# Altium PCB LimeSDR_Mini_1v2_Rounded.PcbDoc (part 2 of 5)
Units mm, origin at the board's own origin, x right, y up, seen from the top; angles counter-clockwise.
Board outline 69 x 31.37 mm, 8 copper layers (Top, L2, L3, L4, L5, L6, L7, Bottom), stack 1.555 mm thick; 411 components, 285 nets, 1759 pads, 802 vias.
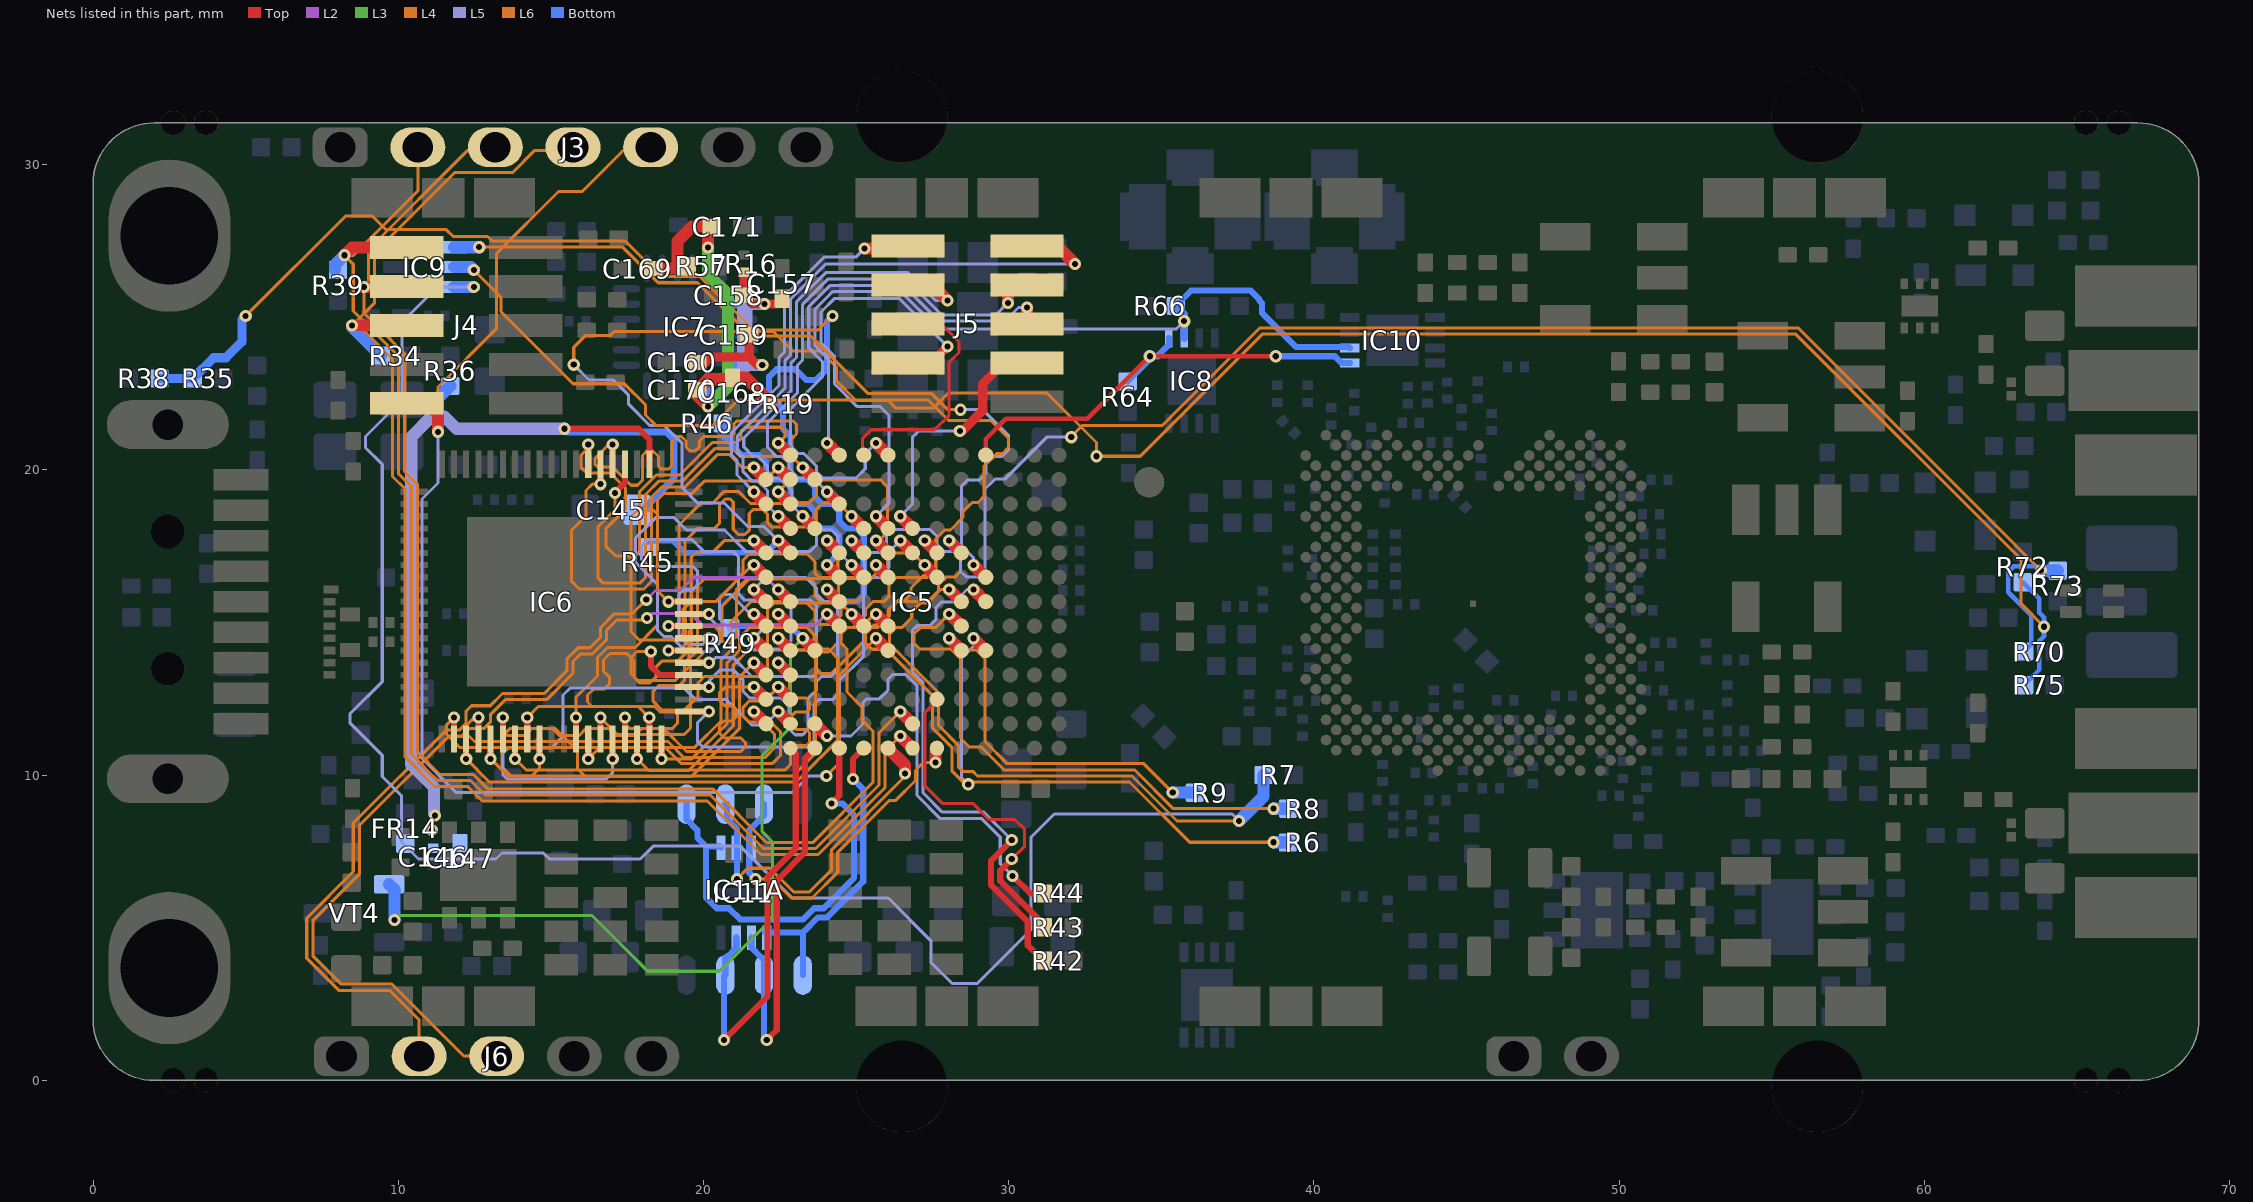
[diagram p8: the nets of this part, all layers, seen from the top]

## Footprints (in the part's own frame and the unit in brackets; to place one, negate y for a bottom-side part, rotate by r counter-clockwise, add the part's x,y. Pads: shape width x height; smd on the part's side, far side on the other; paste and mask are expansions set on the pad) (continued)
LMS7002M_v5 [mm] "LMS7002 without AM2 pad (internally unconnected)"
  round 0.35 smd mask+0: A5(-3.998,5.49) A7(-3.332,5.49) A9(-2.666,5.49) A13(-1.334,5.49) A17(-0.002,5.49) A21(1.33,5.49) AA1(-5.33,-1.17) AA3(-4.664,-1.17) AA5(-3.998,-1.17) AA29(3.994,-1.17) AA31(4.66,-1.17) AA33(5.326,-1.17) AB2(-4.997,-1.503) AB4(-4.331,-1.503) AB6(-3.665,-1.503) AB30(4.327,-1.503) AB32(4.993,-1.503) AB34(5.659,-1.503) AC3(-4.664,-1.836) AC5(-3.998,-1.836) AC29(3.994,-1.836) AC31(4.66,-1.836) AC33(5.326,-1.836) AD2(-4.997,-2.169) AD4(-4.331,-2.169) AD6(-3.665,-2.169) AD30(4.327,-2.169) AD32(4.993,-2.169) AE1(-5.33,-2.502) AE3(-4.664,-2.502) AE5(-3.998,-2.502) AE29(3.994,-2.502) AE31(4.66,-2.502) AE33(5.326,-2.502) AF2(-4.997,-2.835) AF4(-4.331,-2.835) AF6(-3.665,-2.835) AF30(4.327,-2.835) AF32(4.993,-2.835) AF34(5.659,-2.835) AG3(-4.664,-3.168) AG5(-3.998,-3.168) AG29(3.994,-3.168) AG31(4.66,-3.168) AG33(5.326,-3.168) AH2(-4.997,-3.501) AH4(-4.331,-3.501) AH30(4.327,-3.501) AH32(4.993,-3.501) AJ1(-5.33,-3.834) AJ3(-4.664,-3.834) AJ5(-3.998,-3.834) AJ7(-3.332,-3.834) AJ9(-2.666,-3.834) AJ11(-2,-3.834) AJ13(-1.334,-3.834) AJ15(-0.668,-3.834) AJ19(0.664,-3.834) AJ21(1.33,-3.834) AJ25(2.662,-3.834) AJ27(3.328,-3.834) AJ29(3.994,-3.834) AJ31(4.66,-3.834) AJ33(5.326,-3.834) AK2(-4.997,-4.167) AK4(-4.331,-4.167) AK6(-3.665,-4.167) AK8(-2.999,-4.167) AK10(-2.333,-4.167) AK12(-1.667,-4.167) AK14(-1.001,-4.167) AK20(0.997,-4.167) AK22(1.663,-4.167) AK26(2.995,-4.167) AK28(3.661,-4.167) AK30(4.327,-4.167) AK32(4.993,-4.167) AK34(5.659,-4.167) AL3(-4.664,-4.5) AL5(-3.998,-4.5) AL7(-3.332,-4.5) AL9(-2.666,-4.5) AL11(-2,-4.5) AL13(-1.334,-4.5) AL19(0.664,-4.5) AL21(1.33,-4.5) AL23(1.996,-4.5) AL27(3.328,-4.5) AL29(3.994,-4.5) AL31(4.66,-4.5) AL33(5.326,-4.5) AM4(-4.331,-4.833) AM6(-3.665,-4.833) AM8(-2.999,-4.833) AM10(-2.333,-4.833) AM12(-1.667,-4.833) AM18(0.331,-4.833) AM20(0.997,-4.833) AM22(1.663,-4.833) AM24(2.329,-4.833) AM26(2.995,-4.833) AM28(3.661,-4.833) AM30(4.327,-4.833) AM34(5.659,-4.833) AN3(-4.664,-5.166) AN5(-3.998,-5.166) AN7(-3.332,-5.166) AN9(-2.666,-5.166) AN11(-2,-5.166) AN17(-0.002,-5.166) AN23(1.996,-5.166) AN25(2.662,-5.166) AN27(3.328,-5.166) AN29(3.994,-5.166) AN31(4.66,-5.166) AP6(-3.665,-5.499) AP10(-2.333,-5.499) AP26(2.995,-5.499) AP30(4.327,-5.499) AP32(4.993,-5.499) B2(-4.997,5.157) B4(-4.331,5.157) B8(-2.999,5.157) B10(-2.333,5.157) B12(-1.667,5.157) B14(-1.001,5.157) B16(-0.335,5.157) B18(0.331,5.157) B20(0.997,5.157) B22(1.663,5.157) C1(-5.33,4.824) C3(-4.664,4.824) C5(-3.998,4.824) C7(-3.332,4.824) C9(-2.666,4.824) C11(-2,4.824) C13(-1.334,4.824) C15(-0.668,4.824) C17(-0.002,4.824) C19(0.664,4.824) C21(1.33,4.824) C23(1.996,4.824) C25(2.662,4.824) C27(3.328,4.824) C29(3.994,4.824) C31(4.66,4.824) D2(-4.997,4.491) D4(-4.331,4.491) D6(-3.665,4.491) D8(-2.999,4.491) D10(-2.333,4.491) D12(-1.667,4.491) D14(-1.001,4.491) D16(-0.335,4.491) D18(0.331,4.491) D20(0.997,4.491) D22(1.663,4.491) D24(2.329,4.491) D26(2.995,4.491) D28(3.661,4.491) D30(4.327,4.491) D32(4.993,4.491) E3(-4.664,4.158) E5(-3.998,4.158) E9(-2.666,4.158) E11(-2,4.158) E13(-1.334,4.158) E15(-0.668,4.158) E17(-0.002,4.158) E19(0.664,4.158) E21(1.33,4.158) E23(1.996,4.158) E25(2.662,4.158) E27(3.328,4.158) E29(3.994,4.158) E31(4.66,4.158) F2(-4.997,3.825) F4(-4.331,3.825) F6(-3.665,3.825) F8(-2.999,3.825) F10(-2.333,3.825) F12(-1.667,3.825) F14(-1.001,3.825) F16(-0.335,3.825) F18(0.331,3.825) F20(0.997,3.825) F22(1.663,3.825) F24(2.329,3.825) F26(2.995,3.825) F28(3.661,3.825) F30(4.327,3.825) F32(4.993,3.825) G1(-5.33,3.492) G3(-4.664,3.492) G5(-3.998,3.492) G29(3.994,3.492) G31(4.66,3.492) H2(-4.997,3.159) H6(-3.665,3.159) H30(4.327,3.159) H32(4.993,3.159) J1(-5.33,2.826) J3(-4.664,2.826) J5(-3.998,2.826) J31(4.66,2.826) J33(5.326,2.826) K2(-4.997,2.493) K4(-4.331,2.493) K6(-3.665,2.493) K30(4.327,2.493) K32(4.993,2.493) K34(5.659,2.493) L3(-4.664,2.16) L5(-3.998,2.16) L31(4.66,2.16) L33(5.326,2.16) M2(-4.997,1.827) M4(-4.331,1.827) M6(-3.665,1.827) M30(4.327,1.827) M32(4.993,1.827) N1(-5.33,1.494) N3(-4.664,1.494) N31(4.66,1.494) N33(5.326,1.494) P2(-4.997,1.161) P4(-4.331,1.161) P30(4.327,1.161) P32(4.993,1.161) P34(5.659,1.161) R3(-4.664,0.828) R5(-3.998,0.828) R29(3.994,0.828) R31(4.66,0.828) R33(5.326,0.828) T4(-4.331,0.495) T6(-3.665,0.495) T30(4.327,0.495) T32(4.993,0.495) U1(-5.33,0.162) U3(-4.664,0.162) U5(-3.998,0.162) U29(3.994,0.162) U31(4.66,0.162) U33(5.326,0.162) V2(-4.997,-0.171) V4(-4.331,-0.171) V6(-3.665,-0.171) V30(4.327,-0.171) V32(4.993,-0.171) V34(5.659,-0.171) W3(-4.664,-0.504) W29(3.994,-0.504) W31(4.66,-0.504) W33(5.326,-0.504) Y2(-4.997,-0.837) Y4(-4.331,-0.837) Y6(-3.665,-0.837) Y30(4.327,-0.837) Y32(4.993,-0.837)
  rect 0.2x0.2 smd: GND(0.175,0.025)
  Top region: -3.325,-3.5 3.675,-3.5 3.675,3.5 -3.325,3.5
  silkscreen extent -6.1,-6.3 6.4,6.2, body extent -5.6,-5.75 5.9,5.75, height 0.97
LXDC55K [mm] "LXDC55K"
  rect 0.7x1.1 smd mask+0.05: 1(2.2,1.6) 2(1.1,1.6) 3(0,1.6) 4(-1.1,1.6) 5(-2.2,1.6) 6(-2.2,0) 7(-2.2,-1.7) 8(-1.1,-1.7) 9(0,-1.7) 10(1.1,-1.7) 11(2.2,-1.7) 12(2.2,0) 13(0,0) 14(-1.1,0)
  silkscreen extent -2.65,-2.2 3.03,2.1, body extent -2.85,-2.5 2.85,2.5, height 2.1
M24128-DFMC6TG [mm] "8-UFDFPN (2x3)"
  rect 0.65x0.3 smd mask+0.05: 1(-1.4,0.75) 2(-1.4,0.25) 3(-1.4,-0.25) 4(-1.4,-0.75) 5(1.4,-0.75) 6(1.4,-0.25) 7(1.4,0.25) 8(1.4,0.75)
  rect 1.7x1.7 smd mask+0.05: PAD(0,0)
  silkscreen extent -2.06,-1.1 0.9,1.1, body extent -1.52,-1.01 1.52,0.99, height 0.9
MMCX_UFL_conn_u [mm]
  rect 1.2x1.2 smd mask+0.05: 1(0,1.6) 2(0,-1.6)
  rect 1.55x1 smd mask+0.05: 1(0,1.7) 2(0,-1.7)
  rect 1.2x1.6 smd mask+0.05: 2(-1.7,0) 2(1.7,0)
  rect 1.2x2.15 smd mask+0.05: 2(-1.4,0) 2(1.4,0)
  silkscreen extent -2.3,-2.2 2.3,2.2, body extent -1.5,-1.55 1.5,1.55, height 1.25
MX25U1635EM1I-10G_SOP8_150mil [mm] "8-Pin Small Outline Integrated Circuit 1.27 mm Pitch"
  oval 1.3x0.6 smd paste-2: 1(-2.85,1.905) 2(-2.85,0.635) 3(-2.85,-0.635) 4(-2.85,-1.905) 5(2.75,-1.905) 6(2.75,-0.635) 7(2.75,0.635) 8(2.75,1.905)
  silkscreen extent -2.57,-2.5 1.2,2.88, body extent -3,-2.45 3,2.45, height 1.75
NetTie_Wide2 [mm]
  rect 0.4x4 on Mid1: 1(-0.575,0) 2(0.575,0)
  L2 region: -0.775,2 -0.775,-2 0.775,-2 0.775,2
RAKON_RTX5032A [mm] "RAKON RTX5032A 40MHz Filter enabled, with VC, 10pin 5mm x 3.2mm"
  rect 1.35x1 smd mask+0.05: 1(-1.925,-1.15) 4(1.925,-1.15) 6(1.925,1.15) 9(-1.925,1.15)
  rect 0.7x1.35 smd mask+0.05: 2(-0.6,-0.975) 3(0.6,-0.975) 7(0.6,0.975) 8(-0.6,0.975)
  rect 1.35x0.7 smd mask+0.05: 5(1.925,0) 10(-1.925,0)
  silkscreen extent -3.2,-2.25 2.8,1.85, body extent -2.5,-1.6 2.5,1.6, height 0.9
RES0201 [mm]
  rect 0.3x0.35 smd: 1(-0.28,0) 2(0.28,0)
  silkscreen extent -0.2,-0.33 0.2,0.33, body extent -0.3,-0.15 0.3,0.15, height 0.25
RES0402#1 [mm] "Chip Resistor, Body 1.0x0.5mm, EIA 0402, IPC Medium Density"
  round 0.2 on Mech15: 0(0,0)
  rrect20% 0.6x0.6 smd: 1(-0.5,0) 2(0.5,0)
  Top pour cut-out: -0.2,0.35 0.2,0.35 0.2,-0.35 -0.2,-0.35
  silkscreen extent -1.05,-0.55 1.05,0.55, body extent -0.52,-0.27 0.53,0.28, height 0.4
RES0402#2 [mm] "Chip Resistor, Body 1.0x0.5mm, EIA 0402, IPC Medium Density"
  round 0.2 on Mech14: 0(0,0)
  rrect20% 0.6x0.6 smd: 1(-0.5,0) 2(0.5,0)
  Top pour cut-out: -0.2,0.35 0.2,0.35 0.2,-0.35 -0.2,-0.35
  silkscreen extent -1.05,-0.55 1.05,0.55, body extent -0.52,-0.27 0.53,0.28, height 0.4
RES0805#1 [mm] "Chip Resistor, Body 2.0x1.2mm, 0805, IPC Medium Density"
  round 0.254 on Mech14: 0(0,0)
  rrect25% 0.8x1.3 smd: 1(-1,0) 2(1,0)
  Top pour cut-out: -0.6,0.75 0.6,0.75 0.6,-0.75 -0.6,-0.75
  silkscreen extent -0.38,-0.64 0.38,0.64, body extent -1.1,-0.67 1.1,0.68, height 0.69
RES0805#2 [mm] "Chip Resistor, Body 2.0x1.2mm, 0805, IPC Medium Density"
  round 0.254 on Mech15: 0(0,0)
  rrect25% 0.8x1.3 smd: 1(-1,0) 2(1,0)
  Top pour cut-out: -0.6,0.75 0.6,0.75 0.6,-0.75 -0.6,-0.75
  silkscreen extent -0.38,-0.63 0.38,0.64, body extent -1.1,-0.67 1.1,0.68, height 0.69
RES0805_0603 [mm] "Universal 0805 0603 footprint"
  round 0.254 on Mech15: 0(0,0)
  rrect25% 1x1.3 smd paste-3: 1(-0.9,0) 2(0.9,0)
  Top pour cut-out: -0.4,0.725 0.4,0.725 0.4,-0.775 -0.4,-0.775
  silkscreen extent -0.23,-0.7 0.23,0.7, body extent -1.1,-0.67 1.1,0.68, height 0.69
RFI_SHIELD_CLPS_MINI#1 [mm] "RFI SHIELD CLIP MINI TIN SMD, S0971-46R"
  rect 2x1.3 smd mask+0.05: 1(-2,0) 1(2,0)
  rect 1.4x1.3 smd mask+0.05: 1(0,0)
  body extent -2.9,-0.5 2.9,0.5, height 1
RFI_SHIELD_CLPS_MINI#2 [mm] "RFI SHIELD CLIP MINI TIN SMD, S0971-46R"
  rect 2x1.3 smd paste-2 mask+0.05: 1(-2,0) 1(2,0)
  rect 1.4x1.3 smd paste-2 mask+0.05: 1(0,0)
  body extent -2.9,-0.5 2.9,0.5, height 1
SKY13411-374LF [mm]
  rect 0.35x0.25 smd mask+0.05: 1(-0.725,0.5) 2(-0.725,0) 3(-0.725,-0.5) 4(0.725,-0.5) 5(0.725,0) 6(0.725,0.5)
  rect 0.7x1.2 smd mask+0.05: PAD(0,0)
  silkscreen extent -1.14,-0.8 0.7,0.86, body extent -0.75,-0.75 0.75,0.75, height 0.48
SMA_CONNECTOR_BOARD_EDGE_SM [mm]
  rect 2x4.25 smd: 1(0,0)
  rect 2x4 smd far side: 2(-2.77,-0.1) 2(2.77,-0.1)
  rect 2x4 smd: 2(-2.77,-0.1) 2(2.77,-0.1)
  silkscreen extent -4.3,-1.9 4.3,2.5, body extent -3,-11.8 3,1.8, height 3.4
SOT23-3 [mm] "SOT23, 3 pin"
  round 0.5 on Mech14: 0(0,0)
  rrect25% 1x0.6 smd: D(1.15,0) G(-1.15,0.95) S(-1.15,-0.95)
  silkscreen extent -1.25,-1.45 0.38,1.81, body extent -1.4,-1.45 1.4,1.45, height 1.29
SWD_10_pin [mm]
  rect 0.75x2.4 smd paste-2: 1(-2.55,-1.95) 2(-2.55,1.95) 3(-1.275,-1.95) 4(-1.275,1.95) 5(0,-1.95) 6(0,1.95) 7(1.275,-1.95) 8(1.275,1.95) 9(2.55,-1.95) 10(2.55,1.95)
  silkscreen extent -3.2,-3.4 3.2,3.4, body extent -3.17,-2.75 3.17,2.75, height 6.37
TC1-1-13MA+_JA4220-AL_ [mm] "Balun compatible with TC1-1-13MA+ and JA4220-AL_"
  rect 0.9x1.65 smd: 1(-1.345,1.59) 3(1.345,1.59) 4(1.345,-1.59) 6(-1.345,-1.59)
  rect 0.76x1.65 smd: 2(0,1.59)
  silkscreen extent -2,-0.6 2,0.7, body extent -1.27,-1.61 1.28,1.61, height 2.8
USB3A_SM [mm]
  rect 0.7x1.8 smd: 1(-3,-1.2) 2(-1,-1.2) 3(1,-1.2) 4(3,-1.2) 5(4,-1.2) 6(2,-1.2) 7(0,-1.2) 8(-2,-1.2) 9(-4,-1.2)
  oval 1.6x4 hole 1 slot 2.5 at 90 deg: 10(-5.8,1.2) 10(5.8,1.2)
  round 1.1 hole 1.1 unplated: 11(-2.2,1.2) 11(2.3,1.2)
  silkscreen extent -6.95,-2.55 7.05,3.6, body extent -6,-1.75 6,19, height 1.8
W25Q40EWUXIE_8-USON [mm]
  rect 0.8x0.3 smd mask+0.05: 1(-1.475,0.75) 2(-1.475,0.25) 3(-1.475,-0.25) 4(-1.475,-0.75) 5(1.475,-0.75) 6(1.475,-0.25) 7(1.475,0.25) 8(1.475,0.75)
  rect 0.3x1.8 smd mask+0.05: PAD(0,0)
  silkscreen extent -1.55,-1.1 1,1.28, body extent -1.51,-1 1.51,1, height 0.6
WURTHELECTRONIC_RF_SHIELD [mm] "Man. part nr.: 36003250"
  body extent 0,0 26.8,26.8, height 3.1

## Part data
C1 C2 C3 C4 C5 C6 C7 C8 C9 C10 C11 C12 C13 C14 C15 C16 C17 C18 C19 C20 C21 C22 C23 C24 C25 C26 C27 C28 C29 C30 C31 C32 C33 C34 C35 C36 C37 C38 C39 C40 C41 C42 C43 C44 C45 C46 C47 C48 C49 C50 C51 C52 C53 C54 C55 C56 C57 C58 C59 C60 C61 C62 C63 C64 C65 C66 C67 C68 C69 C70 C71 C72 C73 C74 C75 C76 C77 C78 C79 C80 C81 C82 C83 C84 C85 C86 C87 C89 C90 C91 C92 C93 C94 C96 C97 C98 C99 C100 C101 C103 C104 C105 C106 C107 C109 C110 C111 C113 C114 C115 C116 C117 C118 C119 C120 C121 C122 C124 C126 C129 C130 C131 C132 C133 C134 C135 C136 C138 C139 C140 C141 C142 C143 C144 C146 C147 C148 C149 C151 C152 C153 C154 C155 C156 C157 C158 C159 C160 C161 C164 C165 C166 C167 C168 C169 C170 C171 C173 C178 C179 C183 C185 C186 C187 C188 C189 C190 MN3 MN4 MN5 MN6 MN11 MN12 MN13 MN14 MN15 MN16 MN17 MN18 MN19 MN21 MN22: library part Cap_0402
C88 C95 C102 C108 C112 C123 C125 C127 C128 C137 C145 C150 C162 C163 C172 C174 C175 C176 C177 C180 C181 C182 C184: library part Cap_0603
FR1 FR2 FR3 FR4 FR5 FR6 FR7 FR8 FR9 FR10 FR11 FR12 FR13 FR14 FR15 FR16 FR17 FR18 FR19 FR20 FR21 FR22 FR23 FR24 FR25 FR26 FR27 FR28 FR29 FR30 FR31 FR32 FR33 FR34 FR35 FR36 FR37 FR38 FR39 FR40 FR41 FR42 FR43 FR44 FR45: library part Ferrite
IC1: library part LMS7002Mr3, "Schematic symbol revision 3. Default footprint - 0.31mm pad"
IC2 IC10: library part M24128-DFMC6TG
IC9: library part AD5601BKSZ-REEL7, "Single 8-Bit nanoDAC with SPI Interface in LFCSP and SC70, 2.7 to 5.5 V, <100 uA, -40 to +125 degC, KS-6, Pb-Free, Reel"
IC11A: library part MX25U1635EM1I-10G
IC12 IC13: "LXDC55KAAA-205"
J1 J2: library part RF_IF_connector, "CONN SMA JACK STR 50OHM EDGE MNT"
J3: library part Header7P, "Header, 7-pin"
J4 J5: library part "Header 5X2_SWD", "Header, 5-Pin, Dual row"
J6: library part Header5P, "Header, 5-pin"
J8 J9: library part RF_IF_connector, "CONN UMC RCPT STR 50 OHM SMD"
J10: library part Jumper
LED1: library part LED_green_red_SMD
LED2: library part LED_green_red_right_angle, "160-2033-1-ND"
MECH1 MECH2 MECH3 MECH4 MECH6 MECH8 MECH9 MECH10 MECH11 MECH12 MECH13 MECH14: library part RFI_SHIELD_CLIP
MECH5 MECH7 MECH15: library part RFI_SHIELD_1
MN1 MN2 MN7 MN8 MN20 MN23 MN24: library part Inductor_0603
MN9 MN10 R1 R2 R3 R4 R5 R6 R7 R8 R9 R10 R11 R12 R13 R14 R15 R16 R17 R18 R19 R20 R21 R22 R23 R24 R25 R26 R27 R28 R29 R30 R31 R32 R33 R34 R35 R36 R37 R38 R39 R40 R41 R42 R43 R44 R45 R46 R47 R48 R49 R50 R51 R52 R53 R54 R55 R56 R57 R58 R59 R60 R61 R62 R63 R64 R65 R66 R67 R68 R69 R70 R71 R72 R73 R74 R75 R76 R77 R78 R79 R80 R81 R82 R83 R84 R85 R86 R87 R88 R89 R90 R91 R92 R93: library part Res_0402
T1 T2 T3 T4: library part TC1-1-13M+
VT1 VT2 VT3: library part BF1105R,215
VT4: library part NDS331N, "NDS331N"
XO1: library part Rakon_RTX5032A
XT1: library part CRYSTAL_19M2, "Oscillator Crystal 25 MHz"

## Free pads (board coordinates)
  round 0.8 hole 0.8 unplated mask+0.05: 0(2.625,31.37) 0(2.625,0) 0(3.7,31.37) 0(3.7,0) 0(65.3,0) 0(65.3,31.37) 0(66.375,0) 0(66.375,31.37)
  round 3 hole 3 unplated mask+0.05: 0(26.5,-0.2) 0(26.5,31.57) 0(56.5,-0.2) 0(56.5,31.57)
  oval 4x5 hole 3.2 slot 4.3 at 90 deg mask+0.05: 2(2.5,3.68) 2(2.5,27.68)

## Via types
v1: diameter 0.4, hole 0.2, Top to Bottom, tented both sides, 569 vias
v2: diameter 0.4, hole 0.2, Top to Bottom, tented top, 112 vias
v3: diameter 0.35, hole 0.2, Top to Bottom, tented top, 79 vias
v4: diameter 0.5, hole 0.2, Top to Bottom, tented bottom, 25 vias
v5: diameter 0.35, hole 0.2, Top to Bottom, tented both sides, 9 vias
v6: diameter 0.5, hole 0.2, Top to Bottom, tented both sides, 8 vias

## Nets (pads, with @x,y where several pads share a name; then routed paths per layer and width w, separated by ;. In a path a pad name is that pad's centre, name@x,y a point inside that pad or via, vN(x,y) a via of type N, cw(c..) or ccw(c..) an arc to the next point about the centre after c; other vN are vias at no path point)
+1.8V_DIG_LMK: C157.2 C158.2 C159.2 C160.2 FR16.2 IC7.2 IC7.6 | length 10.5
  Top w0.3: C160.2@19.775,23.45 19.972,23.45 20.222,23.7 21.5,23.7 ; C158.2@21.325,25.725 21.615,25.435 v1(22,25.435) 22.4,25.435 C157.2@22.575,25.61 ; C158.2@21.325,25.725 FR16.2@21.325,26.48 ; C159.2@21.5,24.435 21.5,23.7 ; v1@22,23.435 21.765,23.435 21.5,23.7
  L5 w0.4: 21.35,23.435 v1(21.925,23.435) ; 21.35,25.435 v1(22,25.435)
  L5 w0.5: 21.35,23.435 21.35,25.435
  Bottom w0.3: IC7.6@21,23.435 IC7.6@21.325,23.435 v1(21.925,23.435) ; IC7.2@21,25.435 IC7.2@21.325,25.435 v1(22,25.435)
+3.3V_DIG_LMK: C168.2 C169.2 C170.2 C171.2 FR19.2 IC7.8 IC7.23 R57.2 | length 14.9
  Top w0.4: C169.2@18.35,26.6 19.15,26.6 19.15,27.492 19.633,27.975 C171.2@20.275,27.975 20.15,27.85 v1(20.15,27.285) ; v1(20.15,22.085) 19.8,22.435 C170.2@19.8,22.625 20.15,22.975 20.95,22.975 C168.2@20.95,23.025 21.395,23.025 FR19.2@22.245,22.175
  L3 w0.4: v1(20.15,22.085) 20.8,22.735 20.8,25.75 20.15,26.4 v1(20.15,27.285)
  L4 w0.4: v1(20.15,22.085) v1@20.157,22.085
  Bottom w0.3: v1(20.15,22.085) IC7.8@20.15,22.76 ; IC7.23@20.15,26.285 IC7.23@20.15,26.61 v1(20.15,27.285)
AVDD_FT: C145.2 C146.2 C147.1 FR14.2 IC6.2 | length 28.3
  Top w0.2: v1(15.45,21.35) 17.876,21.35 18.225,21.001 IC6.2@18.225,20.185
  L5 w0.4: v1@11.175,8.75 11.175,9.6 10.425,10.35 10.425,21.082 11.093,21.75 11.507,21.75 11.907,21.35 v1(15.45,21.35)
  Bottom w0.23: v1(15.45,21.35) 15.55,21.25 18.797,21.25 19.04,21.007 19.04,19.715 C145.2@18.025,18.7
  other v1: 11.1,8.2 11.2,8.675
BOM_VER0: IC5.K7 R42.2 | length 17.3
  Top w0.2: v1(30.1,7.875) 29.425,7.2 29.425,6.4 30.625,5.2 30.625,4.425 R42.2@31.125,3.925
  Top w0.4: v1(28.85,16.085) IC5.K7@29.25,15.685
  L5 w0.1: v1(28.85,16.085) 28.635,16.085 28.225,15.675 27.8,15.675 27.625,15.5 27.625,15.1 27.425,14.9 27,14.9 26.85,14.75 26.85,13.375 27.2,13.025 27.2,9.416 27.828,8.787 29.188,8.787 v1(30.1,7.875)
BOM_VER1: IC5.H3 R43.2 | length 11
  Top w0.1: IC5.H3@27.65,12.485 27.65,12.45 27.25,12.05 27.25,9.65 27.825,9.075 28.825,9.075 29.35,8.55 30.2,8.55 30.525,8.225 30.525,7.675 v1(30.1,7.25)
  Top w0.2: v1(30.1,7.25) 29.725,6.875 29.725,6.534 31.127,5.132 R43.2@31.127,5.02
BOM_VER2: IC5.C2 R44.2 | length 14.7
  Top w0.2: v1(30.125,6.7) 30.7,6.125 R44.2@31.125,6.125
  Top w0.4: IC5.C2@23.65,11.685 v1(24.05,11.285)
  L5 w0.1: v1(24.05,11.285) 24.835,11.285 25.225,11.675 25.225,12.375 25.35,12.5 25.76,12.5 26.05,12.79 26.05,13.15 26.2,13.3 26.625,13.3 27,12.925 27,9.333 27.745,8.587 29.105,8.587 29.725,7.967 29.725,7.1 v1(30.125,6.7)
FAN_CTRL: IC5.C5 R49.2 VT4.G | length 28.2
  Top w0.4: v2(23.25,14.485) IC5.C5@23.65,14.085
  L3 w0.1: v1(9.875,5.25) 10.025,5.4 16.35,5.4 18.175,3.575 20.525,3.575 22.262,5.312 22.262,7.813 21.925,8.15 21.925,10.65 22.85,11.575 22.85,14.085 v2(23.25,14.485)
  Bottom w0.2: R49.2@20.875,14.825 20.935,14.885 22.85,14.885 v2(23.25,14.485)
  Bottom w0.4: VT4.G@9.7,6.425 9.875,6.25 v1(9.875,5.25)
FPGA_CONFIG_SEL: IC5.D7 R35.2 R38.2 | length 41.6
  Top w0.4: v2(24.05,16.085) IC5.D7@24.45,15.685
  L4 w0.1: v1(5,25.05) 8.275,28.325 9.15,28.325 9.6,27.875 11.575,27.875 11.8,27.65 12.925,27.65 13.075,27.5 17.433,27.5 18.598,26.335 19.89,26.335 21.64,24.585 23.76,24.585 v1(24.225,25.05)
  Bottom w0.2: v2(24.05,16.085) 24.45,15.685 25.016,15.685 25.25,15.919 25.25,17.851 25.016,18.085 24.684,18.085 24.45,18.319 24.45,18.651 24.216,18.885 23.884,18.885 23.65,19.119 23.65,19.451 23.416,19.685 23.04,19.685 22.85,19.875 22.85,21.1 22.6,21.35 22.6,22 22.15,22.45 22.15,23.054 22.396,23.3 23.009,23.3 23.359,22.95 23.691,22.95 24.05,23.309 24.05,24.875 v1(24.225,25.05)
  Bottom w0.3: R38.2@2.175,23 R35.2@3.275,23 3.95,23.675 4.35,23.675 4.875,24.2 4.875,24.925 v1(5,25.05)
FPGA_EGPIO0: IC5.B7 J6.2 | length 29.4
  Top w0.4: v2(22.45,16.085) IC5.B7@22.85,15.685
  L2 w0.1: v1(18.125,15.75) 18.425,16.05 19.25,16.05 19.675,16.475 22.06,16.475 v2(22.45,16.085)
  L6 w0.1: J6.2@10.682,0.795 10.682,1.977 9.709,2.95 8.05,2.95 7,4 7,5.316 8.525,6.841 8.525,8.433 11.567,11.475 12,11.475 12.225,11.7 12.225,12.1 12.4,12.275 13.017,12.275 13.417,12.675 14.781,12.675 15.525,13.419 15.525,13.808 15.892,14.175 16.281,14.175 16.625,14.519 16.625,14.834 17.076,15.285 17.66,15.285 v1(18.125,15.75)
FPGA_EGPIO1: IC5.D6 J6.3 | length 31.9
  Top w0.4: v2(24.05,15.285) IC5.D6@24.45,14.885
  L2 w0.1: v1(18.15,15.15) 18.3,15.3 19.575,15.3 19.95,14.925 23.69,14.925 v2(24.05,15.285)
  L6 w0.1: J6.3@13.225,0.795 12.147,0.795 9.792,3.15 8.133,3.15 7.2,4.083 7.2,5.233 8.725,6.758 8.725,8.35 11.65,11.275 12.083,11.275 12.333,11.525 12.8,11.525 13.025,11.75 13.025,12 13.5,12.475 14.864,12.475 15.725,13.336 15.725,13.725 15.975,13.975 16.364,13.975 16.825,14.436 16.825,14.751 17.159,15.085 18.085,15.085 v1(18.15,15.15)